# KiCad board debug-toolkit.kicad_pcb (continued)
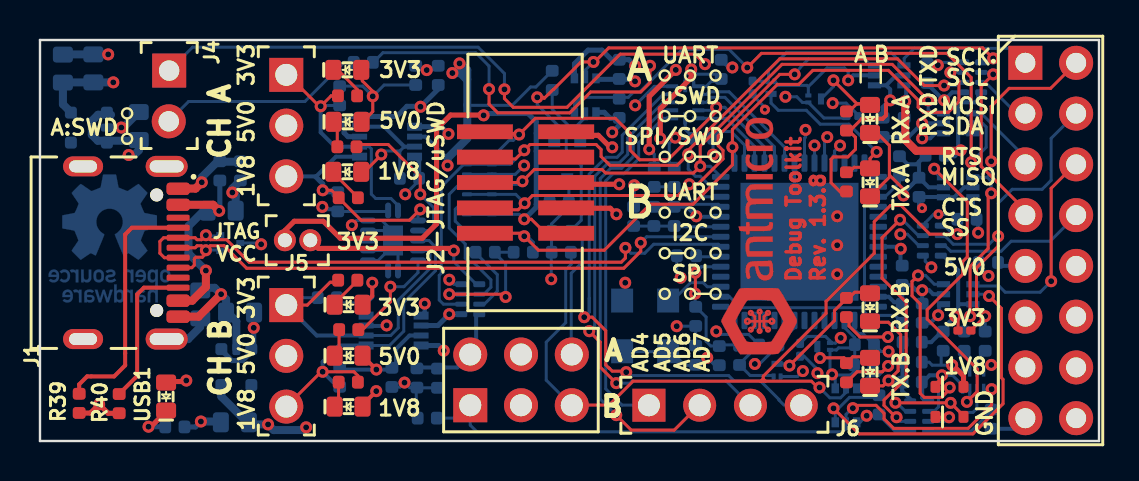
[diagram p0: board, top side]
## Library data of the parts (continued)
R24 = -: Description: SMD Chip Resistor, 1 kohm, ± 1%, 63 mW, 0402 [1005 Metric], Thick Film, General Purpose; Author: Antmicro; License: Apache-2.0; MPN: CR0402-FX-1001GLF; Manufacturer: Bourns; Public: False; Tolerance: 1%; Val: 1k; Field11: Author: Antmicro; Field13: License: Apache-2.0
R25 R27 R30 = -: Description: SMD Chip Resistor, 10 kohm, ± 1%, 62.5 mW, 0402 [1005 Metric], Thick Film, General Purpose; Author: Antmicro; License: Apache-2.0; MPN: CR0402-FX-1002GLF; Manufacturer: Bourns; Public: False; Tolerance: 1%; Val: 10k; Field11: Author: Antmicro; Field13: License: Apache-2.0
R28 = -: Description: SMD Chip Resistor, 510 ohm, ± 1%, 63 mW, 0402 [1005 Metric], Thick Film, General Purpose; Author: Antmicro; License: Apache-2.0; MPN: CR0402-FX-5100GLF; Manufacturer: Bourns; Public: False; Tolerance: 1%; Val: 510R; Field12: Author: Antmicro; Field13: License: Apache-2.0
R29 = -: Description: SMD Chip Resistor, 56 kohm, ± 1%, 62.5 mW, 0402 [1005 Metric], Thick Film, General Purpose; Author: Antmicro; License: Apache-2.0; MPN: CR0402-FX-5602GLF; Manufacturer: Bourns; Public: False; Tolerance: 1%; Val: 56k; Field12: Author: Antmicro; Field13: License: Apache-2.0
R32 = -: Description: SMD Chip Resistor, 10 kohm, ± 1%, 62.5 mW, 0402 [1005 Metric], Thick Film, General Purpose; Author: Antmicro; License: Apache-2.0; MPN: CR0402-FX-1002GLF; Manufacturer: Bourns; Public: False; Tolerance: 1%; Val: 10k; Field12: License: Apache-2.0; Field13: Author: Antmicro
R33 = -: Description: SMD Chip Resistor, 10 kohm, ± 1%, 62.5 mW, 0402 [1005 Metric], Thick Film, General Purpose; Author: Antmicro; License: Apache-2.0; MPN: CR0402-FX-1002GLF; Manufacturer: Bourns; Public: False; Tolerance: 1%; Val: 10k; Field11: License: Apache-2.0; Field13: Author: Antmicro
R37 = -: Description: SMD Chip Resistor; Author: Antmicro; License: Apache-2.0; MPN: CR0201-FX-1003GLF; Manufacturer: Bourns; Public: False; Tolerance: 1%; Val: 100k; Field12: License: Apache-2.0; Field13: Author: Antmicro
R39 = -: Description: SMD Chip Resistor, 5.1 kohm, ± 1%, 63 mW, 0402 [1005 Metric], Thick Film, General Purpose; Author: Antmicro; License: Apache-2.0; MPN: CR0402-FX-5101GLF; Manufacturer: Bourns; Public: False; Tolerance: 1%; Val: 5k1; Field11: Author: Antmicro; Field13: License: Apache-2.0
R40 = -: Description: SMD Chip Resistor, 5.1 kohm, ± 1%, 63 mW, 0402 [1005 Metric], Thick Film, General Purpose; Author: Antmicro; License: Apache-2.0; MPN: CR0402-FX-5101GLF; Manufacturer: Bourns; Public: False; Tolerance: 1%; Val: 5k1; Field12: License: Apache-2.0; Field13: Author: Antmicro
RX_A1 TX_B1 USB1 = -: Description: LED, Green, SMD, 0603, 20 mA, 1.7 V, 570 nm; Author: Antmicro; Color: Green; License: Apache-2.0; MPN: LG L29K-G2J1-24-Z; Manufacturer: OSRAM; Public: False; Field10: Author: Antmicro; Field11: License: Apache-2.0
U1 = -: Description: Interface Bridges, USB to UART, MPSSE, 1.62 V, 1.98 V, VQFN, 56 Pins, -40 °C; Author: Antmicro; License: Apache-2.0; MPN: FT4232H-56Q-REEL; Manufacturer: FTDI Chip; Field8: Author: Antmicro; Field10: License: Apache-2.0
U2 = -: Description: Level shifter; Author: Antmicro; License: Apache-2.0; MPN: SN74LVC1T45DRLR; Manufacturer: Texas Instruments; Field9: Author: Antmicro; Field10: License: Apache-2.0
U3 = -: Description: Level shifter; Author: Antmicro; License: Apache-2.0; MPN: SN74LVC1T45DRLR; Manufacturer: Texas Instruments; Field8: Author: Antmicro; Field9: License: Apache-2.0
U4 = -: Description: Level shifter; Author: Antmicro; License: Apache-2.0; MPN: TXB0104RUTR; Manufacturer: Texas Instruments; Field9: License: Apache-2.0; Field10: Author: Antmicro
U5-U7 = -: Description: Level shifter; Author: Antmicro; License: Apache-2.0; MPN: 74LVC2T45GT; Manufacturer: Texas Instruments; Field8: License: Apache-2.0; Field9: Author: Antmicro
U8 = -: Description: Level shifter; Author: Antmicro; License: Apache-2.0; MPN: SN74LVC1T45DRLR; Manufacturer: Texas Instruments; Field8: License: Apache-2.0; Field9: Author: Antmicro
U9 = -: Description: Level shifter; Author: Antmicro; License: Apache-2.0; MPN: SN74LVC1T45DRLR; Manufacturer: Texas Instruments; Field8: License: Apache-2.0; Field10: Author: Antmicro
U10 = -: Description: Level shifter; Author: Antmicro; License: Apache-2.0; MPN: 74LVC2T45GT; Manufacturer: Texas Instruments; Field9: Author: Antmicro; Field10: License: Apache-2.0
U11 = -: Description: Translating Transceiver IC 8-X2SON (1.4x1); Author: Antmicro; License: Apache-2.0; Manufacturer: NXP; Field9: Author: Antmicro; Field10: License: Apache-2.0
U12 = -: Description: Linear voltage regulator; Author: Antmicro; License: Apache-2.0; MPN: TLV70033DCKR; Manufacturer: Texas Instruments; Field8: License: Apache-2.0; Field9: Author: Antmicro
U13 = -: Description: Logic gate; Author: Antmicro; License: Apache-2.0; MPN: 74HC00BQ,115; Manufacturer: Nexperia; Field8: License: Apache-2.0; Field9: Author: Antmicro
U14 = -: Description: Fixed LDO Voltage Regulator, 2V to 5.5V, 175mV drop, 1.8V/200mA out, SC-70-5; Author: Antmicro; License: Apache-2.0; MPN: TLV70018DCKR; Manufacturer: Texas Instruments; Field9: License: Apache-2.0; Field10: Author: Antmicro
U15 = -: Description: Interface analog switch/multiplexer/demultiplexer; Author: Antmicro; License: Apache-2.0; MPN: TS5A3359DCUR; Manufacturer: Texas Instruments; Field8: Author: Antmicro; Field9: License: Apache-2.0
U16 = -: Description: Interface analog switch/multiplexer/demultiplexer; Author: Antmicro; License: Apache-2.0; MPN: TS5A3359DCUR; Manufacturer: Texas Instruments; Field9: License: Apache-2.0; Field10: Author: Antmicro
Y1 = -: Description: MEMS Oscillator, 12 MHz, SMD, 5mm x 3.2mm, 50 ppm, 3.3 V, ASFLMB, LVCMOS; Author: Antmicro; License: Apache-2.0; MPN: ASFLMB-12.000MHZ-LC-T; Manufacturer: Abracon; Public: False; Val: 12 MHz; Field11: License: Apache-2.0; Field12: Author: Antmicro

## Footprints (pads in the part's own frame, mm; a bottom-side part is the same pattern mirrored in y, then rotated)
C_0402_1005Metric
  rrect 0.59x0.64 smd: 1(-0.48,0) 2(0.48,0)
C_0603_1608Metric
  rrect 0.8x1 smd: 1(-0.7,0) 2(0.7,0)
CST3-3
  rect 0.305x0.203 smd: 1(-0.317,0.175) 2(-0.317,-0.174)
  rect 0.305x0.559 smd: 3(0.317,0)
DHVQFN-14-1EP_2.5x3mm
  oval 0.3x0.8 smd: 1(-0.25,1.5) 7(-0.25,-1.499) 8(0.244,-1.499) 14(0.244,1.5)
  oval 0.8x0.3 smd: 2(-1.25,1) 3(-1.25,0.5) 4(-1.25,0) 5(-1.25,-0.494) 6(-1.25,-0.994) 9(1.249,-0.994) 10(1.249,-0.494) 11(1.249,0) 12(1.249,0.5) 13(1.249,1)
  rect 1x1.5 smd: 15(0,0)
FB_0402_1005Metric
  rrect 0.59x0.64 smd: 1(-0.48,0) 2(0.48,0)
FB_0603_1608Metric
  rrect 0.8x1 smd: 1(-0.7,0) 2(0.7,0)
LED_0603_1608Metric_G
  rrect 0.8x1 smd: 1(-0.7,0) 2(0.7,0)
Oscillator_SMD_Abracon_ASFLMB_5x3.2x0.85mm
  rect 1.1x1.2 smd: 1(-1.049,1.17) 2(-1.049,-1.369) 3(1.252,-1.369) 4(1.252,1.17)
PinHeader_1x2_P1.27mm_Drill0.7mm
  round 1.1 hole 0.7: 1(0,0) 2(1.269,0)
PinHeader_1x2_P2.54mm_Drill1.02mm
  rect 1.7x1.7 hole 1.02: 1(0,0)
  round 1.7 hole 1.02: 2(2.539,-0.02)
PinHeader_1x3_P2.54mm_Drill1.1mm
  rect 1.7x1.7 hole 1.1: 1(0,0)
  round 1.7 hole 1.1: 2(2.539,0) 3(5.078,0)
PinHeader_1x4_P2.54mm_Drill1.1mm
  rect 1.65x1.65 hole 1.1: 1(0,0)
  round 1.65 hole 1.1: 2(2.539,0) 3(5.078,0) 4(7.618,0)
PinHeader_2x3_P2.54mm_Drill1.1mm
  rect 1.7x1.7 hole 1.1: 1(0,0)
  oval 1.7x1.7 hole 1.1: 2(2.539,0) 3(0,-2.539) 4(2.539,-2.539) 5(0,-5.078) 6(2.539,-5.078)
PinHeader_2x5_P1.27mm_SMD_Shrouded
  rect 0.74x2.795 smd: 1(-2.54,-2.055) 2(-2.54,2.009) 3(-1.27,-2.055) 4(-1.27,2.009) 5(0,-2.055) 6(0,2.009) 7(1.269,-2.055) 8(1.269,2.009) 9(2.539,-2.055) 10(2.539,2.009)
PinHeader_2x8_P2.54mm_Drill1mm
  rect 1.7x1.7 hole 1: 1(0,0)
  oval 1.7x1.7 hole 1: 2(2.54,0) 3(0,-2.54) 4(2.54,-2.54) 5(0,-5.08) 6(2.54,-5.08) 7(0,-7.62) 8(2.54,-7.62) 9(0,-10.16) 10(2.54,-10.16) 11(0,-12.7) 12(2.54,-12.7) 13(0,-15.24) 14(2.54,-15.24) 15(0,-17.78) 16(2.54,-17.78)
QFN-56-1EP_8x8mm_P0.5mm
  rrect 1.13x1.13 smd: (-2.101,-2.1) (-2.101,-0.699) (-2.101,0.7) (-2.101,2.101) (-0.7,-2.1) (-0.7,-0.699) (-0.7,0.7) (-0.7,2.101) (0.699,-2.1) (0.699,-0.699) (0.699,0.7) (0.699,2.101) (2.1,-2.1) (2.1,-0.699) (2.1,0.7) (2.1,2.101)
  rrect 0.875x0.3 smd: 1(-3.938,3.25) 2(-3.938,2.75) 3(-3.938,2.25) 4(-3.938,1.75) 5(-3.938,1.25) 6(-3.938,0.75) 7(-3.938,0.25) 8(-3.938,-0.249) 9(-3.938,-0.749) 10(-3.938,-1.249) 11(-3.938,-1.749) 12(-3.938,-2.249) 13(-3.938,-2.749) 14(-3.938,-3.249) 29(3.937,-3.249) 30(3.937,-2.749) 31(3.937,-2.249) 32(3.937,-1.749) 33(3.937,-1.249) 34(3.937,-0.749) 35(3.937,-0.249) 36(3.937,0.25) 37(3.937,0.75) 38(3.937,1.25) 39(3.937,1.75) 40(3.937,2.25) 41(3.937,2.75) 42(3.937,3.25)
  rrect 0.3x0.875 smd: 15(-3.25,-3.937) 16(-2.75,-3.937) 17(-2.25,-3.937) 18(-1.75,-3.937) 19(-1.25,-3.937) 20(-0.75,-3.937) 21(-0.25,-3.937) 22(0.249,-3.937) 23(0.749,-3.937) 24(1.249,-3.937) 25(1.749,-3.937) 26(2.249,-3.937) 27(2.749,-3.937) 28(3.249,-3.937) 43(3.249,3.938) 44(2.749,3.938) 45(2.249,3.938) 46(1.749,3.938) 47(1.249,3.938) 48(0.749,3.938) 49(0.249,3.938) 50(-0.25,3.938) 51(-0.75,3.938) 52(-1.25,3.938) 53(-1.75,3.938) 54(-2.25,3.938) 55(-2.75,3.938) 56(-3.25,3.938)
  rect 5.9x5.9 smd: 57(0,0)
R_0201
  rrect 0.318x0.36 smd: (-0.346,0) (0.344,0)
  rrect 0.46x0.4 smd: 1(-0.32,0) 2(0.32,0)
R_0402_1005Metric
  rrect 0.59x0.64 smd: 1(-0.48,0) 2(0.48,0)
SC-70-5
  rrect 0.6x0.6 smd: 1(-0.756,-0.893) 3(0.743,-0.893) 4(0.743,0.907) 5(-0.756,0.907)
  rrect 0.4x0.6 smd: 2(-0.006,-0.893)
SOD-523
  rrect 0.5x0.6 smd: 1(-0.701,0) 2(0.699,0)
SOT-323
  rect 0.55x0.6 smd: 1(-0.927,0.652) 2(-0.927,-0.65) 3(0.925,0)
SOT-553-6
  rect 0.66x0.31 smd: 1(-0.734,0.5) 2(-0.734,0.002) 3(-0.734,-0.498) 4(0.735,-0.498) 5(0.735,0.002) 6(0.735,0.5)
SOT-666
  rect 0.5x0.375 smd: 1(-0.85,0.539) 3(-0.85,-0.537) 4(0.848,-0.537) 6(0.848,0.539)
  rect 0.65x0.3 smd: 2(-0.927,0) 5(0.925,0)
SOT-723
  rect 0.4x0.3 smd: 1(-0.501,0.401) 2(-0.501,-0.399) 3(0.499,0.001)
UQFN-12_2x1.7mm_P0.4mm_Texas_RUT
  rect 0.6x0.2 smd: 1(-0.653,0.803) 2(-0.653,0.403) 3(-0.653,0) 4(-0.653,-0.4) 5(-0.653,-0.8) 7(0.65,-0.8) 8(0.65,-0.4) 9(0.65,0) 10(0.65,0.403) 11(0.65,0.803)
  rect 0.15x0.25 smd: 1(-0.425,0.975)
  rect 0.2x0.6 smd: 6(0,-0.8) 12(0,0.803)
USB-C_Receptacle_GCT_USB4105-GF-A
  round 0.65 hole 0.65 unplated: (-2.891,2.426) (2.89,2.426)
  rrect 0.6x1.15 smd: A1(-3.202,3.5) A4(-2.4,3.5) A9(2.398,3.5) A12(3.2,3.5) B1(3.2,3.5) B4(2.398,3.5) B9(-2.4,3.5) B12(-3.202,3.5)
  rrect 0.3x1.15 smd: A5(-1.25,3.5) A6(-0.25,3.5) A7(0.248,3.5) A8(1.249,3.5) B5(1.749,3.5) B6(0.748,3.5) B7(-0.75,3.5) B8(-1.75,3.5)
  oval 1.05x2.1 hole 0.6x1.7: SH(-4.321,2.926) SH(4.32,2.926)
  oval 1x2 hole 0.6x1.4: SH(-4.321,-1.255) SH(4.32,-1.255)
USON-14_3.5X1.3X0.5mm_P0.5mm
  rrect 0.2x0.5 smd: 1(-1.5,-0.623) 2(-1,-0.623) 3(-0.5,-0.623) 4(0,-0.623) 5(0.498,-0.623) 6(0.998,-0.623) 7(1.499,-0.623) 8(1.499,0.625) 9(0.998,0.625) 10(0.498,0.625) 11(0,0.625) 12(-0.5,0.625) 13(-1,0.625) 14(-1.5,0.625)
VSSOP-8_2.3x2mm_P0.5mm
  rect 0.75x0.4 smd: 1(-1.372,0.742) 4(-1.372,-0.757) 5(1.377,-0.757) 8(1.377,0.742)
  rect 0.75x0.3 smd: 2(-1.372,0.244) 3(-1.372,-0.256) 6(1.377,-0.256) 7(1.377,0.244)
X2SON8_1.4x1x0.32mm_P0.35mm
  rect 0.5x0.17 smd: 1(-0.43,0.526) 2(-0.43,0.175) 3(-0.43,-0.175) 4(-0.43,-0.526) 5(0.43,-0.526) 6(0.43,-0.175) 7(0.43,0.175) 8(0.43,0.526)
XSON-8_1x1.95mm_P0.5mm
  rrect 0.6x0.3 smd: 1(-0.45,0.75) 4(-0.45,-0.75) 5(0.45,-0.75) 8(0.45,0.75)
  rrect 0.6x0.25 smd: 2(-0.45,0.25) 3(-0.45,-0.25) 6(0.45,-0.25) 7(0.45,0.25)

## Nets
+1V8: C6.1 J3.13 J3.14 U14.5 U15.1 U16.1
+3V3: C1.1 C2.1 C7.1 C8.1 C16.1 C24.1 C26.1 C28.1 C34.1 D3.1 FB1.1 FB2.1 J3.11 J3.12 J5.1 J7.3 J7.4 Q1.4 Q2.4 R23.2 R24.2 R29.2 U1.16 U1.36 U1.44 U1.50 U4.1 U4.12 U6.1 U6.5 U7.1 U7.5 U11.8 U12.5 U15.2 U16.2 Y1.1 Y1.4
+5V: 1V8_A1.2 1V8_B1.2 3V3_A1.2 3V3_B1.2 5V0_A1.2 5V0_B1.2 C4.1 C5.1 C19.1 C20.1 C21.1 C22.1 C36.1 J3.9 J3.10 L1.1 R4.2 R5.2 R16.2 R17.2 R21.2 U12.1 U12.3 U13.14 U14.1 U14.3 U15.3 U15.8 U16.3 U16.8 USB1.2
/3V3_A: C9.1 C14.1 Q1.3 R11.2 R12.2 R25.2 U2.1 U2.5 U3.1 U5.1
/3V3_B: C17.1 C18.1 Q2.3 R14.2 R15.2 R32.2 U8.1 U8.5 U9.1 U10.1
/VCCIOA: C10.1 C13.1 C35.1 R10.2 R37.2 U2.6 U3.6 U4.11 U5.8 U16.7
/VCCIOB: C30.1 C32.1 R31.2 R34.2 R38.2 U8.6 U9.6 U10.8 U15.7
GND: C1.2 C2.2 C3.2 C4.2 C5.2 C6.2 C7.2 C8.2 C9.2 C10.2 C11.2 C12.1 C13.2 C14.2 C15.2 C16.2 C17.2 C18.2 C19.2 C20.2 C21.2 C22.2 C23.1 C24.2 C25.2 C26.2 C27.2 C28.2 C29.2 C30.2 C31.2 C32.2 C33.1 C34.2 C35.2 C36.2 D1.3 D2.5 D2.10 J1.A1 J1.A12 J1.B1 J1.B12 J1_A1.2 J1_B1.2 J2.3 J2.5 J2.9 J3.15 J3.16 L2.2 Q1.1 Q2.1 Q3.3 Q4.2 Q5.2 Q6.2 Q7.2 R2.1 R9.2 R20.1 R22.1 R25.1 R26.1 R27.1 R30.1 R32.1 R33.1 R39.2 R40.2 RX_A1.1 RX_B1.1 TX_A1.1 TX_B1.1 U1.10 U1.21 U1.41 U1.45 U1.57 U2.2 U3.2 U4.6 U5.4 U6.4 U7.4 U8.2 U9.2 U10.4 U11.4 U12.2 U13.7 U13.9 U13.10 U13.12 U13.13 U13.15 U14.2 U15.4 U16.4 Y1.2
GNDREF: J1.SH L2.1
/ADBUS0: D2.3 D2.12 J2.4 U1.12 U2.3
/ADBUS1: D2.6 D2.9 J2.8 U1.13 U5.2 U6.2
/ADBUS2: D2.4 D2.11 J2.6 U1.14 U3.3 U6.6
/ADBUS3: D2.2 D2.13 J2.2 R13.1 U1.15 U5.3
/ADBUS4: U1.17 U4.5
/ADBUS4_T: J6.1 U4.7
/ADBUS5: D2.7 D2.8 J2.10 U1.18 U4.4
/ADBUS5_T: J6.2 U4.8
/ADBUS6: U1.19 U4.3
/ADBUS6_T: J6.3 U4.9
/ADBUS7: U1.20 U4.2
/ADBUS7_T: J6.4 U4.10
/BDBUS0: U1.22 U8.3 U11.7
/BDBUS1: U1.23 U7.2 U10.3
/BDBUS2: U1.24 U7.6 U9.3
/BDBUS3: U1.25 U10.2
/I2C_EN: C31.1 J7.1 Q2.5 R30.2 U7.8 U11.5
/IN1_A: J1_A1.1 R1.2 R5.1 U13.1 U16.6
/IN1_B: J1_B1.1 R7.2 R17.1 U13.5 U15.6
/IN2_A: J1_A1.3 R3.2 R4.1 U13.2 U16.5
/IN2_B: J1_B1.3 R8.2 R16.1 U13.4 U15.5
/IN12_A: R6.2 U13.3
/IN12_B: R18.2 U13.6
/JTAG_VCC: D2.1 D2.14 J2.1 J5.2 Q3.1 R20.2
/MPSSE_A: J7.6 Q1.2 R26.2 U5.5
/MPSSE_B: J7.5 Q2.2 R33.2 U10.5
/nMPSSE_A: Q1.6 R23.1 U3.5
/nMPSSE_B: Q2.6 R29.1 U9.5
/OSCI: U1.3 Y1.3
/SDA: D4.2 U7.3 U11.6
/SWD_EN: C15.1 J7.2 R27.2 U6.8
/UART_1_CTS_T: J3.7 U5.6
/UART_1_RTS_T: J3.5 J4.1 U3.4
/UART_1_RXD_T: J3.3 Q6.1 R28.1 R37.1 U5.7
/UART_1_TXD_T: J3.1 Q4.1 R10.1 U2.4
/UART_2_CTS_T: J3.8 U10.7
/UART_2_RTS_T: J3.6 U9.4
/UART_2_RXD_T: J3.4 Q7.1 R36.2 R38.1 U10.6
/UART_2_TXD_T: J3.2 Q5.1 R31.1 R35.2 U8.4
/USB_D_N: D1.2 J1.A7 J1.B7 U1.7
/USB_D_P: D1.1 J1.A6 J1.B6 U1.8
/VPHY: C11.1 C25.1 FB2.2 U1.5
/VPLL: C12.2 C23.2 FB1.2 U1.9
/VREGOUT: C27.1 C29.1 U1.2 U1.31 U1.43
/~{RESET}: R21.1 R22.2 U1.11
Net-(1V8_A1-C): 1V8_A1.1 R3.1
Net-(1V8_B1-C): 1V8_B1.1 R8.1
Net-(3V3_A1-C): 3V3_A1.1 R1.1
Net-(3V3_B1-C): 3V3_B1.1 R7.1
Net-(5V0_A1-C): 5V0_A1.1 R6.1
Net-(5V0_B1-C): 5V0_B1.1 R18.1
Net-(C3-Pad1): C3.1 J1.A4 J1.A9 J1.B4 J1.B9 L1.2
Net-(D3-A): C33.2 D3.2 R34.1 U11.1
Net-(D4-C): D4.1 U7.7
Net-(J1-CC_{1}): J1.A5 R39.1
Net-(J1-CC_{2}): J1.B5 R40.1
Net-(J4-Pad2): J4.2 R28.2
Net-(Q1-G2): Q1.5 Q3.2 R24.1
Net-(Q4-D): Q4.3 R11.1 TX_A1.2
Net-(Q5-D): Q5.3 R14.1 TX_B1.2
Net-(Q6-D): Q6.3 R12.1 RX_A1.2
Net-(Q7-D): Q7.3 R15.1 RX_B1.2
Net-(U1-REF): R9.1 U1.6
Net-(U6-1B): R19.1 U6.7
Net-(U6-2A): R13.2 R19.2 U6.3
Net-(U11-A1): R35.1 U11.2
Net-(U11-A2): R36.1 U11.3
Net-(USB1-C): R2.2 USB1.1

Pads without a net: J1 A8 B8; J2 7; U1 1 4 26 27 28 29 30 32 33 34 35 37 38 39 40 42 46 47 48 49 51 52 53 54 55 56; U12 4; U13 8 11; U14 4

## Via types
v1: diameter 0.6, hole 0.3, Top to Bottom, 170 vias
v2: diameter 0.5, hole 0.2, Top to Bottom, 3 vias

## Routing (per net, layer and track width the routed paths; a pad name or vN(x,y) marks a point on that pad's centre or on a via; arc(x,y) is an arc through that point)
+1V8: length 14
  In2.Cu w0.2: 48.53,2.38 48.4,2.26 48.73,2.26 48.74,2.27 49.84,2.27
  In2.Cu w0.254: J3.14 51.82,3.36 50.86,2.41 ; 48.7,3.68 48.17,3.15 47.27,3.15 ; 49.28,3.13 48.53,2.38
  Bottom w0.2: U15.1 19.24,6.46 v1(19.24,6.88)
  Bottom w0.254: v1(20.43,15.37) 20.43,15.37 20.07,15.73 U16.1
  Bottom w0.4: U14.5 9.07,2.22 10.36,0.94 ; C6.1 10.55,0.83 v1(11.41,0.83) 11.69,0.55 13.17,0.55 v1(13.31,0.69)
+3V3: length 86.8
  Top w0.254: v1(32.57,18.6) 32.57,18.17 31.02,16.62 v1(31.02,15.15) ; v1(20.69,9.53) 20.59,9.64 13.93,9.64 J5.1 ; D3.1 44.78,2.77 45.1,3.09 v1(45.1,3.29)
  In2.Cu w0.152: v1(20.98,18.9) 20.98,18.77 v1(20.62,18.41)
  In2.Cu w0.4: v1(3.67,17.95) 4.35,17.26 7.53,17.26 7.65,17.15 13.31,17.15 15.35,19.19 20.56,19.19 ; 24.06,1.79 25.26,3 ; 20.56,19.19 20.56,18.47 v1(20.62,18.41) 20.62,18.54 v1(20.98,18.9) 20.69,19.19 20.56,19.19
  Bottom w0.15: 32.92,17.75 33.32,17.75 33.57,18 33.92,18 ; U4.1 32.69,17.77 ; 32.77,3.79 32.25,3.79 31.57,4.47 29.17,4.47 ; 46.14,2.78 45.63,3.29 v1(45.1,3.29) ; 21.81,7.85 20.69,8.96 v1(20.69,9.53) ; U1.16 35.23,14.81 34.56,15.48 33.95,15.48 33.72,15.25 ; 34.02,18.15 33.81,18.36 32.81,18.36 v1(32.57,18.6) 32.27,18.3 32.27,17.75 ; v1(41.34,1.26) 41.01,0.94 Q2.4 ; 33.66,14.99 v1(33.66,14.33)
  Bottom w0.152: 33.75,3.79 v1(33.37,4.17) 33.31,4.17 32.95,3.81 ; 25.62,18.53 24.8,17.71 24.53,17.71 23.62,16.8 21.37,16.8 ; 41.7,4.83 41.15,5.38 40.93,5.38 40.73,5.57 40.73,6.03 ; v1(35.75,3.86) 35.98,3.86 36.93,4.81 36.93,4.88 37.73,5.68 U1.50 ; 41.71,4.83 42.06,4.48 v1(42.44,4.48)
  Bottom w0.2: 43.03,8.73 43.03,9.61 v1(43.05,9.62) 42.94,9.72 41.92,9.72 ; 44.29,3.12 44.32,3.12 44.49,3.29 v1(45.1,3.29) ; v1(41.34,1.26) 41.9,1.26 41.96,1.33 41.96,1.32 42.8,0.49 43.64,0.49 ; U16.2 19.27,15.23 20.38,14.11 v1(20.38,13.79) ; 44.3,1.99 44.12,2.17 44.12,2.75 ; v1(29.72,12.8) 29.69,12.77 29.69,11.72
  Bottom w0.254: U15.2 19.9,5.78 v1(20.47,6.35) 21.23,6.35 ; v1(28.62,15.45) 28.97,15.8 28.97,16.15 28.52,16.15 28.22,16.45 27.82,16.45
  Bottom w0.4: v1(20.62,18.41) 21.01,18.41 21.33,18.1 21.37,18.1 ; C2.1 1.15,16.85 1.55,16.45 ; 21.04,18.9 21.37,18.57 21.37,18.1 ; 21.37,18.1 21.37,15.14 20.38,14.15 v1(20.38,13.79) ; v1(3.66,17.94) C1.1 1.16,17.94
+5V: length 48.8
  Top w0.15: 16.13,15.97 16.64,16.48 v1(16.64,17.25) 16.64,17.5 16.12,18.02 16.12,18.57 ; 16.12,13.47 16.22,13.47 17.07,14.32 v1(17.07,14.34)
  Top w0.2: v1(16.62,7.92) 16.62,7.26 16.18,6.82 ; 16.18,1.86 v1(16.82,2.5) ; 16.37,4.27 16.37,4.03 v1(16.82,3.58)
  Top w0.254: v1(30.47,14.6) 30.47,17.24 v1(31.79,18.57) ; v1(7.32,3.03) 7.27,2.98 6.31,2.98
  Bottom w0.15: v1(17.07,14.34) 17.24,14.51 17.99,14.51 18.21,14.73 ; v1(30.47,14.6) 30.72,14.35 30.72,13.68 ; 18.82,17.81 17.21,17.81 v1(16.64,17.25) 16.13,17.76 14.99,17.76 ; 14.89,11.49 17.36,11.49 U13.14 ; 14.85,7.17 15.11,6.91 16.28,6.91 16.31,6.89
  Bottom w0.152: 17.99,13.14 17.99,14.51 17.99,14.51
  Bottom w0.2: v1(16.62,7.92) 16.62,7.19 16.31,6.88 U15.8 ; 16.82,3.58 17.66,3.58 17.81,3.72 17.81,4.61 18.48,5.28 U15.3 ; 16.82,3.58 v1(16.82,3.58) ; 16.82,3.58 15.04,3.58 14.93,3.68 ; v1(14.12,11.72) 14.24,11.6 14.92,11.6 ; 47.91,8.94 48.09,8.76 J3.9 ; U16.8 17.22,15.73 18.21,14.73 U16.3
  Bottom w0.254: U14.1 9.07,4.55 9.6,4.03 10.14,4.03 10.69,4.58 v1(10.69,5.67) 10.69,6.41 C5.1
  Bottom w0.4: 3.55,16.32 2.9,16.32 2.59,16.01 2.59,15.32 2.89,15.02 4.97,15.02 ; L1.1 9.79,12.27 v1(9.62,12.44) 9.62,12.63 10.02,13.03 ; C36.1 4.94,14.54 4.71,14.31 v1(4.43,14.31)
/3V3_A: length 16.9
  Top w0.152: 40.49,15.52 41.1,16.13 ; 40.51,15.46 40.78,15.2 40.78,14.6 40.4,14.22 39.68,14.22 39.56,14.1 39.56,12.92 40.01,12.47 40.46,12.47
  Top w0.2: v1(42.52,17.05) 42.31,16.84 42.31,16.3 42.14,16.13 41.1,16.13
  In2.Cu w0.2: v1(45.22,17.05) 45.22,17.2
  Bottom w0.2: v1(44.12,15.15) 44.52,15.15 44.77,15.4 45.18,15.4 ; 44.37,17.87 45.19,17.05 v1(45.22,17.05) 45.62,17.45 46.33,17.45 ; v1(42.52,17.05) 42.52,17.6 42.32,17.8 ; 42.32,17.8 41.72,17.8 ; 42.32,17.8 42.82,18.3 43.2,18.3
  Bottom w0.254: v1(42.52,17.05) 42.17,16.7 42.17,16.18 ; v1(29.76,18) 29.66,18.1 27.82,18.1
/3V3_B: length 15.7
  Top w0.152: 40.46,6.18 40.46,5.76 41.01,5.21 42.4,5.21 v1(42.4,5.2) ; v1(42.41,3.75) 42.12,3.47 40.86,3.47 40.33,2.93
  In2.Cu w0.15: v1(42.41,3.75) 41.98,4.19 41.86,4.19
  In2.Cu w0.152: 41.86,4.19 41.86,4.88 42.39,5.41 42.39,5.22 v1(42.4,5.2)
  Bottom w0.15: v1(42.41,3.75) 41.95,3.29 41.67,3.29 ; 44.27,9.28 44.27,9 v1(44.57,8.69) ; 44.97,6.25 44.92,6.25 44.87,6.3
  Bottom w0.152: Q2.3 41.5,3.29 41.67,3.29 41.67,3.82
  Bottom w0.2: v1(44.92,6.3) 44.52,5.9 44.22,5.9 ; v2(44.11,11.65) 43.96,11.8 43.96,12.21 45.17,12.21 ; 45.18,12.2 45.72,12.2 46.22,12.7 46.67,12.7 ; 44.97,6.75 44.97,6.4 44.87,6.3
/VCCIOA: length 23.9
  Top w0.4: v1(46.04,14.54) 46.02,14.52 43.82,14.52 43.27,15.07 v1(43.27,17)
  Bottom w0.15: v1(29.76,16.8) 30.71,17.75 31.62,17.75
  Bottom w0.152: R10.2 35.63,17.31 36.25,16.69 v2(36.25,16.58) ; v1(39.64,16.91) 40.31,16.91 40.95,16.27
  Bottom w0.2: 43.32,17.8 43.32,17.05 v1(43.27,17) 43.27,16.2 ; 45.92,15.4 45.92,16.8 46.07,16.95 46.77,16.95 46.91,17.09 46.91,17.45 ; 45.92,15.4 45.92,14.67 v1(46.04,14.54) 45.74,14.25 45.25,14.25 ; 45.92,15.4 U3.6
  Bottom w0.254: 19.92,17.81 19.92,17.61 v1(19.03,16.73) 19.01,16.75 18.35,16.75 17.84,16.24 15.42,16.24 15.21,16.03 15.21,15.42 15.4,15.23 U16.7
/VCCIOB: length 25
  Top w0.15: R38.2 45.91,6.1 v1(45.77,6.25)
  In1.Cu w0.152: v1(45.77,6.25) 46.28,6.76 47.47,6.76 47.78,6.44 47.78,5.86 46.63,4.71 43.8,4.71 42.71,5.8 41.94,5.8 40.43,4.29 39.85,4.29 38.96,3.4 v1(38.88,3.4)
  Bottom w0.152: R31.2 38.21,4.25 38.8,3.65 38.8,3.65 v1(38.88,3.4)
  Bottom w0.2: 46.82,11.1 46.82,11.65 46.65,11.81 U8.6 ; 44.93,9.28 45.18,9.28 45.92,8.54 45.92,6.4 v1(45.77,6.25) 45.37,5.85 45.37,5.6 ; U15.7 16.33,5.76 17.31,5.76 v1(17.33,5.79) ; 45.97,6.85 U9.6 ; 45.07,5.45 44.57,4.95 44.1,4.95 ; v1(46.92,10.42) 46.92,11
GND: length 132.7
  Top w0.152: 42.48,13.31 43.18,12.6 v1(43.18,12.29) ; 42.48,13.31 42.48,14.79 41.89,15.37 41.47,15.37 ; 42.48,13.31 42.48,13.2 41.47,12.2 ; TX_B1.1 42.16,2.76 v1(42.43,3.03) 42.91,3.51 42.91,4.1 43.04,4.23 43.04,5.33 42.42,5.94 41.66,5.94
  Top w0.254: 1.96,1.4 2.52,1.4 v1(2.96,1.84) 3.41,1.39 3.96,1.39 ; 27.02,15.3 27.92,15.3 28.52,14.7 v1(28.62,14.7) ; v1(28.97,12.85) 26.27,12.85 ; 28.82,11.35 28.52,11.65 26.82,11.65
  Top w0.4: 6.95,12.63 7.78,12.63 v1(8.09,12.95) ; 6.9,6.22 7.93,6.22 v1(9.06,7.35)
  Bottom w0.15: 46.32,18.95 45.04,18.95 v1(44.9,18.81) 44.86,18.85 44.42,18.85 ; U4.6 32.27,15.6 32.67,15.2 ; v1(32.04,8.17) 31.84,8.37 31.84,9.14 ; v1(18.23,2.93) 18.48,2.67 18.85,2.67 18.82,2.64 18.82,1.15 ; 25.58,10.5 25.58,10.86 26.45,11.73 ; v1(15.59,10.8) 15.83,11.03 17.1,11.03 17.65,10.48 ; 17.9,9.78 U13.7 ; 16.4,9.03 16.91,9.03 17.65,9.78 ; v1(20.47,8.07) 20.69,7.85 21.22,7.85 ; 29.22,7.87 29.27,7.82 29.27,6.87 ; v1(31.84,5.75) 32.77,5.75 ; 18.96,13.04 v1(18.27,12.35) ; 9.94,9.91 11,9.91 v1(11.06,9.85) ; U11.4 47.19,3.69 47.31,3.81 v1(47.57,3.81) ; 32.7,15.15 31.8,15.15 v1(31.77,15.18) 31.47,14.88 31.47,13.95 31.72,13.7 ; 18.79,18.78 18.9,18.78 19.12,18.56 v1(19.34,18.56) 19.59,18.56 19.81,18.78 19.92,18.78 ; 16.4,10.53 17.15,10.53 U13.15 17.15,9.53 16.4,9.53 ; 21.35,13.34 22.6,13.34 ; 26.45,11.95 26.45,13.04 ; 32.79,5.75 32.79,4.8
  Bottom w0.152: 45.83,11.1 45.58,11.35 v2(44.93,11.35) 44.69,11.35 44.27,10.92 44.27,10.78 ; D2.10 23.76,13.34 v1(24.21,13.79) ; v1(39.61,3.34) 39.51,3.44 39.51,4.56 39.82,4.56 39.83,4.56 39.93,4.66 40.58,4.66 ; v1(39.61,3.34) 39.64,3.31 40.54,3.31 40.7,3.47 40.7,3.82 ; v1(39.61,3.34) 39.77,3.17 Q2.1 ; v1(39.87,9.8) 38.15,9.8 U1.57 37.73,10.22 U1.21 ; 34.97,3.82 35.51,3.28 36.63,3.28 36.69,3.23 ; 18.85,2.67 18.86,2.66 19.88,2.66 ; 38.42,17.29 38.42,17.73 ; 38.42,17.73 38.35,17.8 36.94,17.8 Q4.2 ; 38.42,17.73 39.36,18.67 40.23,18.67 40.42,18.48 v1(40.42,18.05) ; 37.73,11.25 v1(39.87,11.25) ; 40.23,5.68 40.74,5.17 40.74,3.86 ; 35.93,4.81 34.97,3.84 ; v1(25.57,8.1) 25.57,9.43 ; v1(18.23,2.93) 18,2.7 17.6,2.7 ; v1(33.82,5.48) 34.06,5.34 35.43,5.34 35.96,4.81 ; 43.13,2.95 42.51,2.95 v1(42.43,3.03) ; 25.58,9.45 25.58,10.5
  Bottom w0.2: 30.7,11.72 32.34,11.72 v1(32.82,11.25) 32.85,11.22 U1.10 ; 42.98,14.25 43.39,13.85 43.83,13.85 44.28,14.3 43.96,13.97 43.96,13.19 43.18,12.41 v1(43.18,12.29) 43.18,12.4 43.96,13.18 44.44,12.69 45.18,12.69 ; v1(40.42,18.05) 40.67,18.3 41.73,18.3 ; 43.13,3.95 43.13,2.95 ; 18.96,13.14 18.96,14 U16.4 ; 44.07,7.5 44.12,7.45 44.12,6.75 ; v1(47.43,8.26) 46.95,8.75 46.95,8.94 ; 43.12,2.95 43.12,2.51 43.64,1.99 ; 34.23,19.08 34.23,18.92 34.45,18.69 v1(34.62,18.69) ; 45.18,7.35 44.67,7.35 44.47,7.55 v1(44.12,7.55) 43.82,7.55 43.57,7.8 43.17,7.8 ; 43.12,6.73 43.12,7.6 ; 43.13,4.95 43.13,3.96 ; 41.92,7.22 42.44,7.22 42.72,6.95 43.07,6.95 ; 47.57,0.61 48.73,0.61 ; 42.17,15.21 43.43,15.21 v1(44.12,15.9) 45.18,15.9
  Bottom w0.254: v1(29.77,18.77) 29.45,19.08 28.58,19.08 28.11,19.56 27.41,19.56 26.73,18.88 26.73,18.15 ; U15.4 19.93,4.78 v1(20.19,4.52) ; v1(8.05,0.98) 7.78,0.71 7.23,0.71
  Bottom w0.4: 10.05,13.98 9.03,13.98 ; v1(8.09,12.95) 8.09,13.2 8.89,14 8.99,14 ; v1(8.05,0.98) 9.09,0.98 ; U14.2 9.82,5.99 9.39,6.42 ; C36.2 4.16,15.69 v1(4.07,15.69) 3.35,15.69 U12.2 ; C5.2 9.31,7.1 v1(9.06,7.35) 8.74,7.67 8.02,7.67 ; v1(3.41,19.34) C1.2 1.15,19.34
  vias: v1(28.83,11.35) v1(29.27,7.92) v1(39.87,8.35)
GNDREF: length 18.9
  In1.Cu w0.2: J1.SH 2.15,5.1 2.15,13.74 J1.SH
  Bottom w0.4: 6.32,5.1 7.41,5.1 8.02,5.71
/ADBUS0: length 28.5
  Top w0.15: v1(37.74,18.35) 36.99,18.35 33.92,15.27 33.92,14.78 34.16,14.54 34.16,14.11 32.89,12.85 v1(32.47,12.85) 31.91,12.29 24.63,12.29 v1(24.24,11.9) 23.91,11.57 22.23,11.57
  Bottom w0.15: U1.12 33.19,12.22 v1(32.47,12.85) ; 21.35,12.34 D2.12 23.79,12.34 v1(24.24,11.9) ; v1(37.74,18.35) 38.12,18.8
  Bottom w0.152: 38.12,18.8 38.43,19.12 41.22,19.12 41.54,18.8
/ADBUS1: length 42.7
  Top w0.15: v1(45.21,17.79) 44.22,17.79 42.88,19.12 36.99,19.12 32.42,14.55 v1(32.42,14.35) 31.87,13.8 28.5,13.8 28.06,14.24 28.06,14.59 27.81,14.84 24.5,14.84 v1(24.22,14.55) 23.78,14.11 22.23,14.11
  Bottom w0.15: v1(45.21,17.79) 45.8,17.79 45.96,17.95 46.32,17.95 ; U1.13 33.54,12.72 33.02,13.25 32.78,13.25 32.42,13.61 v1(32.42,14.35) ; 21.22,6.85 20.18,6.85 19.97,7.06 19.97,8.29 20.07,8.39 20.07,12.72 21.19,13.84 23.51,13.84 v1(24.22,14.55)
/ADBUS2: length 39.1
  Top w0.15: v1(24.13,13) 24.72,13.59 28.11,13.59 28.28,13.41 32.68,13.41 v1(33.02,13.75) 33.02,14.76 37.1,18.85 42.62,18.85 v1(44.42,17.05)
  Top w0.152: J2.6 24.07,12.94 v1(24.13,13)
  Bottom w0.15: U1.14 33.52,13.75 v1(33.02,13.75) ; v1(44.42,17.05) 44.42,16.6 44.62,16.4 45.17,16.4 ; 21.82,7.35 22.2,7.35 22.55,7.7 22.55,8.07 21.69,8.93 21.49,8.93 21.27,9.15 21.27,9.86 20.47,10.66 20.47,12.35 20.96,12.84 D2.11 23.97,12.84 v1(24.13,13)
